# KiCad board AICORS_PCB.kicad_pcb (continued)
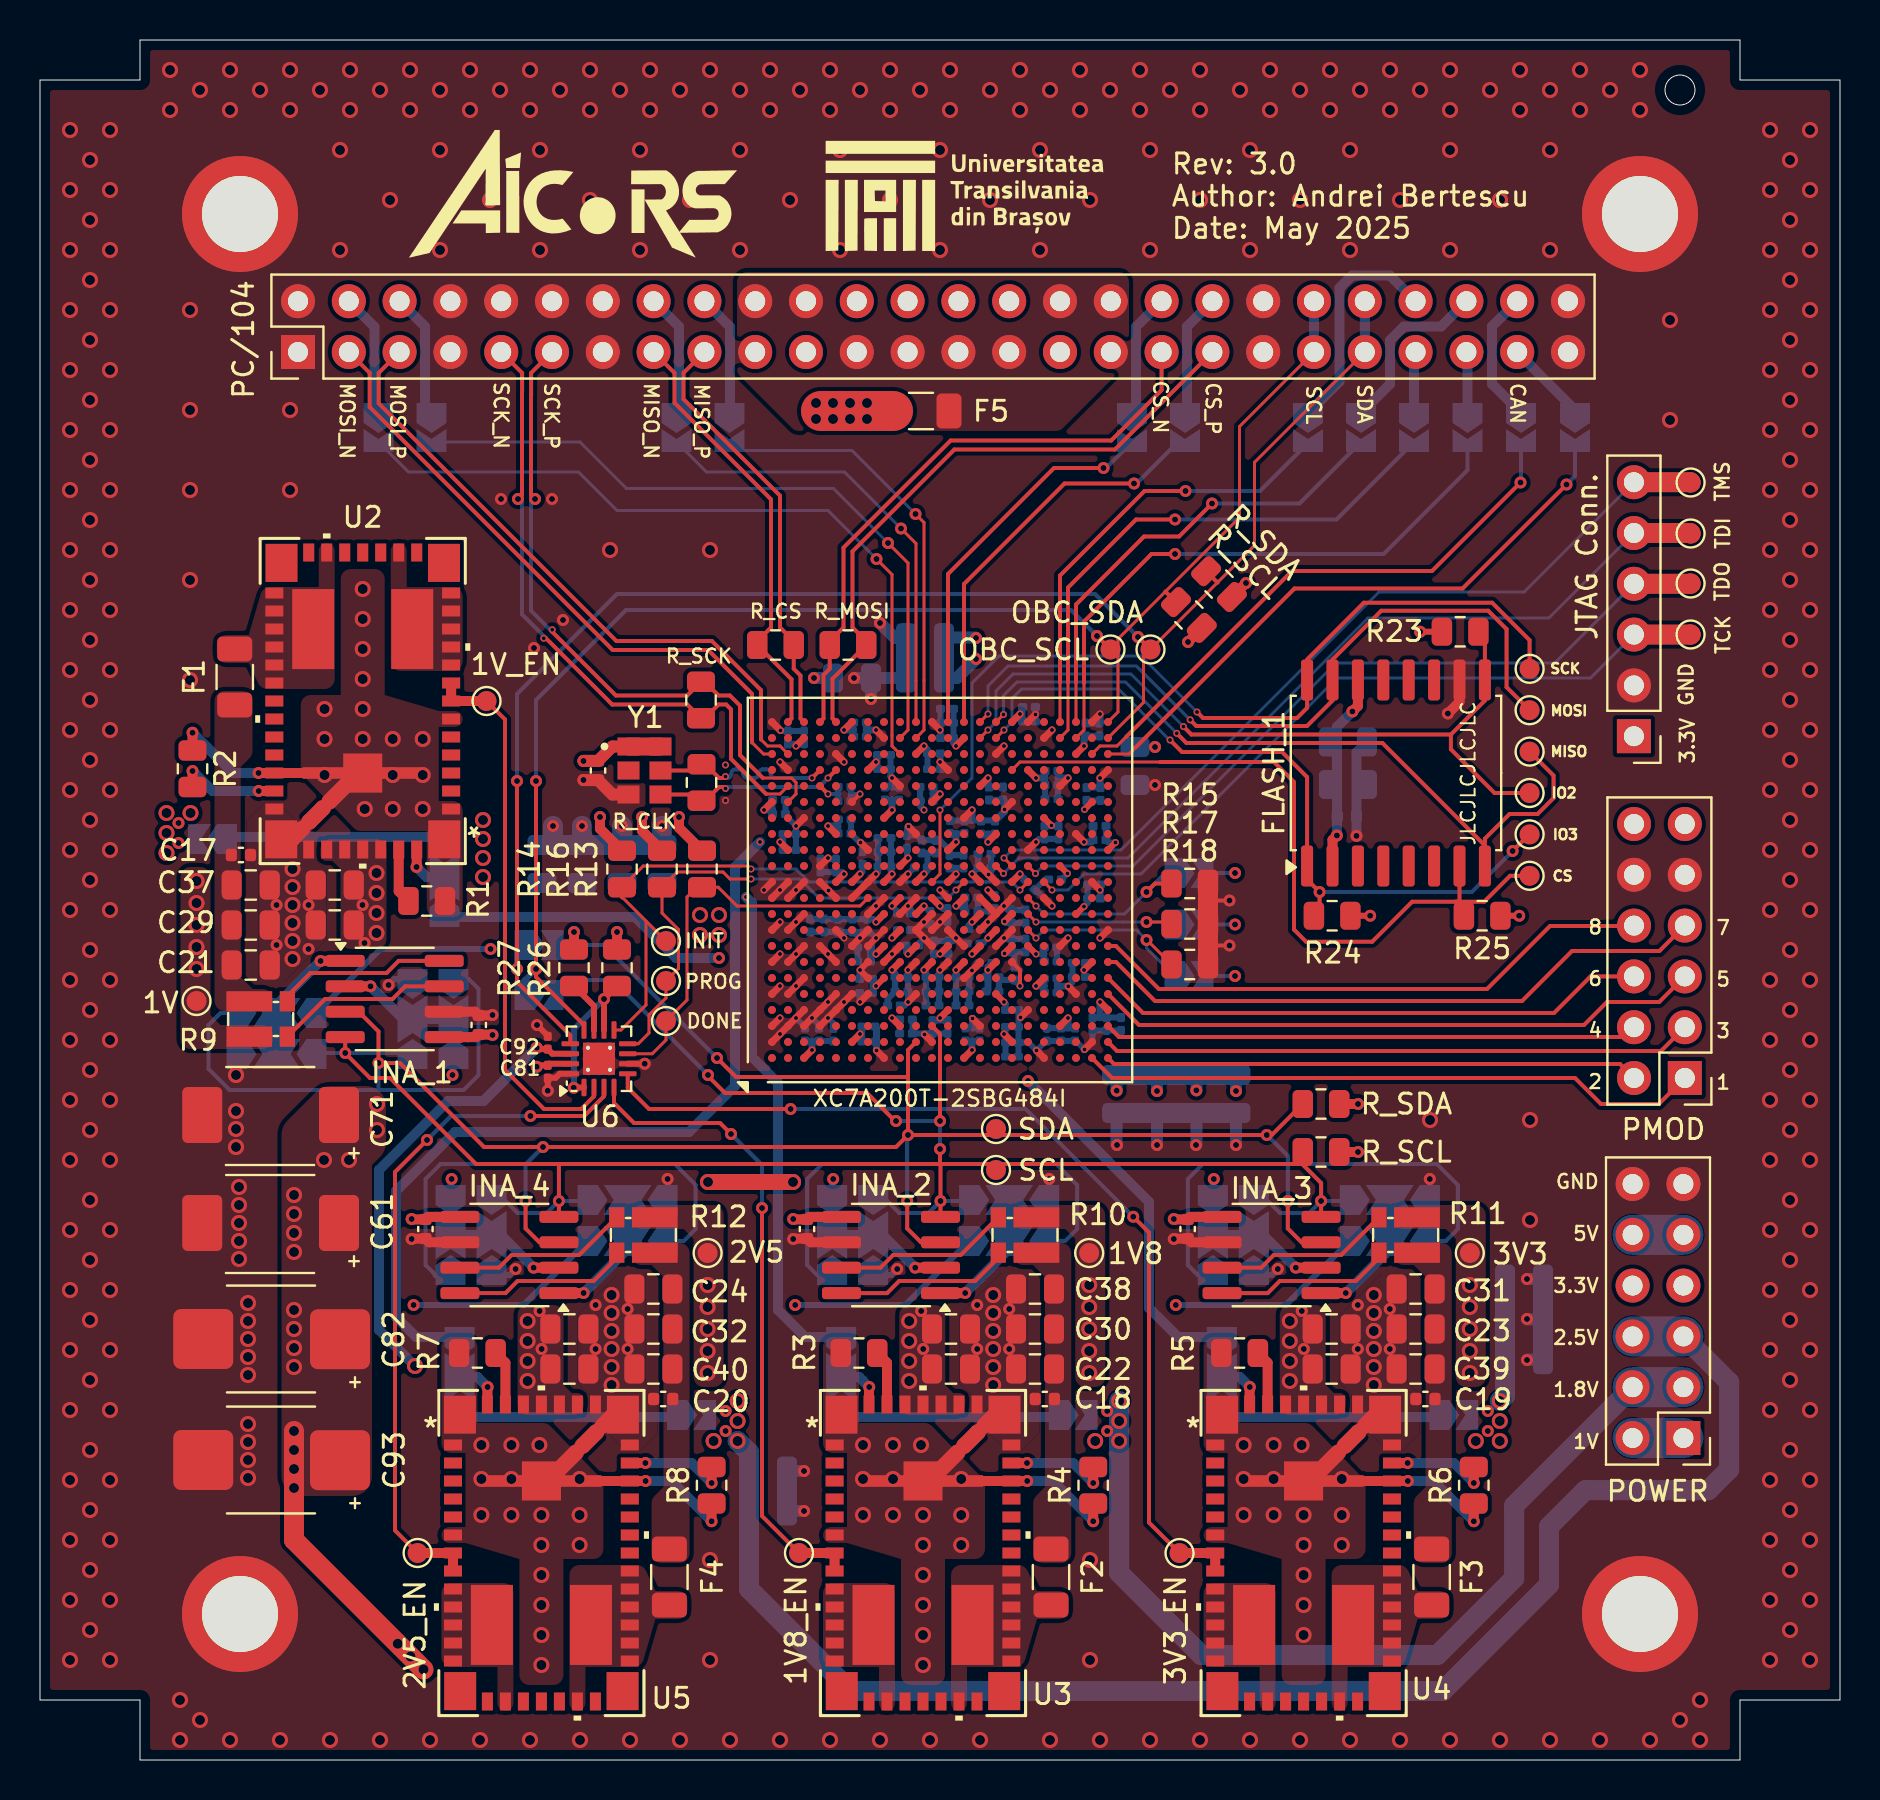
[diagram p0: board, top side]
## Placement (name value [footprint] x y rotation side) (continued)

## Library data of the parts
A0_1-A0_4 A1_1-A1_4 = -: Description: Rotary switch 1x4, SP4T with mount point
C1-C8 C21-C44 = -: Description: GRM21BR61A476ME15L; LCSC Part #: C124129; ki_fp_filters: C_*
C9-C16 = -: Description: GRM21BC81C226ME44L; LCSC Part #: C258782; ki_fp_filters: C_*
C17-C20 C45-C48 = -: Description: GRM033R60J104KE19J; LCSC Part #: C913501; ki_fp_filters: C_*
C49 C53 C62-C67 C72-C77 C163 C173 C183 C193 = -: Description: Unpolarized capacitor; LCSC Part #: C124129; ki_fp_filters: C_*
C50 = -: Description: Unpolarized capacitor; LCSC Part #: C258782; ki_fp_filters: C_*
C51 C52 = -: Description: Unpolarized capacitor; LCSC Part #: C913501; ki_fp_filters: C_*
C54 C55 C70 C80 C91 C102 C110 C112 C120 C122 C130 C132 C141 C142 C145-C152 C155-C162 C165-C172 C175-C182 C185-C192 C195-C202 = -: Description: Unpolarized capacitor; LCSC Part #: C88915; ki_fp_filters: C_*
C56 C58 C60 C68 C69 C78 C79 C81 C83-C90 C92 C94-C101 C103-C109 C111 C113-C119 C121 C123-C129 C131 C133-C140 C143 C144 C153 C154 C164 C174 C184 C194 = -: Description: Unpolarized capacitor; LCSC Part #: C3863497; ki_fp_filters: C_*
C61 C71 = -: Description: Polarized capacitor; LCSC Part #: C147766; ki_fp_filters: CP_*
C82 C93 = -: Description: Polarized capacitor; LCSC Part #: C542607; ki_fp_filters: CP_*
CLK_D_R1 = -: Description: R_CLK; LCSC Part #: C105577; ki_fp_filters: R_*
CS_D_R1 = -: Description: R_CS; LCSC Part #: C105577; ki_fp_filters: R_*
F1-F5 = -: Description: Fuse; LCSC Part #: C187596; ki_fp_filters: *Fuse*
FLASH_1 = -: LCSC Part #: C2948626
H1-H4 = -: Description: Mounting Hole with connection; ki_fp_filters: MountingHole*Pad*
INA_1-INA_4 = -: Datasheet: http://www.ti.com/lit/ds/symlink/ina219.pdf; Description: Zero-Drift, HighAccuracy, Bidirectional Current/Power Monitor (0-26V) With I2C Interface, SOIC-8; LCSC Part #: C2859699; ki_fp_filters: SOIC*3.9x4.9mm*P1.27mm*
J1 = -: Description: PC/104; ki_fp_filters: Connector*:*_2x??_*
J2 = -: Description: JTAG Conn.; LCSC Part #: C3328125; ki_fp_filters: Connector*:*_1x??_*
J3 = -: Description: PMOD; ki_fp_filters: Connector*:*_2x??_*
J4 = -: Description: POWER; ki_fp_filters: Connector*:*_2x??_*
JP1-JP4 = -: Description: Solder Jumper, 3-pole, open; ki_fp_filters: SolderJumper*Open*
JP5-JP25 = -: Description: Solder Jumper, 2-pole, open; ki_fp_filters: SolderJumper*Open*
MOSI_D_R1 = -: Description: R_MOSI; LCSC Part #: C105577; ki_fp_filters: R_*
NT1-NT8 = -: Description: Net tie, 2 pins; ki_fp_filters: Net*Tie*
R1 = -: Description: RC0805FR-075K76L; LCSC Part #: C483177; ki_fp_filters: R_*
R2 = -: Description: AC0805FR-07261KL; ki_fp_filters: R_*
R3 R5 R7 = -: Description: RC0805FR-071K13L; LCSC Part #: C273876; ki_fp_filters: R_*
R4 R6 R8 = -: Description: RT0805BRD07324KL; LCSC Part #: C865403; ki_fp_filters: R_*
R9-R12 = -: Description: WSKW06123L000FEA; LCSC Part #: C1517434; ki_fp_filters: R_*Shunt*
R13 = -: Description: Resistor; LCSC Part #: C114567; ki_fp_filters: R_*
R14 R16 R23-R25 = -: Description: Resistor; LCSC Part #: C60816; ki_fp_filters: R_*
R15 R17 R18 R26 R27 = -: Description: Resistor; LCSC Part #: C95781; ki_fp_filters: R_*
R19 R20 = -: Description: R_SDA; LCSC Part #: C144562; ki_fp_filters: R_*
R21 R22 = -: Description: R_SCL; LCSC Part #: C144562; ki_fp_filters: R_*
SCK_D_R1 = -: Description: R_SCK; LCSC Part #: C105577; ki_fp_filters: R_*
TP1-TP25 = -: Description: test point; ki_fp_filters: Pin* Test*
U1 = -: Description: Artix 7 T 200 XC7A200T-SBG484; LCSC Part #: C1521826
U2-U5 = -: LCSC Part #: C181319; ki_fp_filters: RUQ_47
U6 = -: Datasheet: 8-Bit I2C and SMBus I/O Expander
Y1 = -: PARTREV: 02-08-22; STANDARD: Manufacturer Recommendations; MAXIMUM_PACKAGE_HEIGHT: 1.10mm; MANUFACTURER: Abracon; LCSC Part #: C2002827

## Footprints (pads in the part's own frame, mm; a bottom-side part is the same pattern mirrored in y, then rotated)
4_Way_SolderJumper
  custom 1.5x1.5 smd: 1(-2,1.05) 2(2,1.05) 3(-2,-1) 4(2,-1)
  custom 2.4x1.5 smd: 5(0,-1) 5(0,1.05)
52-PinHeader_SlimDensity
  rect 1.7x1.7 hole 1: 1(0,0)
  oval 1.7x1.7 hole 1: 2(2.54,0) 3(0,-2.54) 4(2.54,-2.54) 5(0,-5.08) 6(2.54,-5.08) 7(0,-7.62) 8(2.54,-7.62) 9(0,-10.16) 10(2.54,-10.16) 11(0,-12.7) 12(2.54,-12.7) 13(0,-15.24) 14(2.54,-15.24) 15(0,-17.78) 16(2.54,-17.78) 17(0,-20.32) 18(2.54,-20.32) 19(0,-22.86) 20(2.54,-22.86) 21(0,-25.4) 22(2.54,-25.4) 23(0,-27.94) 24(2.54,-27.94) 25(0,-30.48) 26(2.54,-30.48) 27(0,-33.02) 28(2.54,-33.02) 29(0,-35.56) 30(2.54,-35.56) 31(0,-38.1) 32(2.54,-38.1) 33(0,-40.64) 34(2.54,-40.64) 35(0,-43.18) 36(2.54,-43.18) 37(0,-45.72) 38(2.54,-45.72) 39(0,-48.26) 40(2.54,-48.26) 41(0,-50.8) 42(2.54,-50.8) 43(0,-53.34) 44(2.54,-53.34) 45(0,-55.88) 46(2.54,-55.88) 47(0,-58.42) 48(2.54,-58.42) 49(0,-60.96) 50(2.54,-60.96) 51(0,-63.5) 52(2.54,-63.5)
C_0201_0603Metric
  rrect 0.318x0.36 smd: (-0.345,0) (0.345,0)
  rrect 0.46x0.4 smd: 1(-0.32,0) 2(0.32,0)
C_0402_1005Metric
  rrect 0.56x0.62 smd: 1(-0.48,0) 2(0.48,0)
C_0805_2012Metric
  rrect 1x1.45 smd: 1(-0.95,0) 2(0.95,0)
Fuse_1206_3216Metric
  rrect 1.25x1.75 smd: 1(-1.4,0) 2(1.4,0)
MountingHole_3.8mm_1mmPad
  round 5.8 hole 3.8: 1(0,0)
Net_tie_1mm
  round 0.8 smd: 1(-0.5,0) 2(0.5,0)
NetTie-2_SMD_Pad0.5mm
  round 0.5 smd: 1(-0.5,0) 2(0.5,0)
Panasonic_D2 Tantalum Capacitor
  rrect 2x2.8 smd: 1(-3.45,-0.05) 2(3.388,-0.05)
Panasonic_D4 Tantalum Capacitor
  rrect 3x3 smd: 1(-3.5,0.01) 2(3.337,0)
PinHeader_1x06_P2.54mm_Vertical
  rect 1.7x1.7 hole 1: 1(0,0)
  oval 1.7x1.7 hole 1: 2(0,-2.54) 3(0,-5.08) 4(0,-7.62) 5(0,-10.16) 6(0,-12.7)
PinHeader_2x06_P2.54mm_Vertical
  rect 1.7x1.7 hole 1: 1(0,0)
  oval 1.7x1.7 hole 1: 2(2.54,0) 3(0,-2.54) 4(2.54,-2.54) 5(0,-5.08) 6(2.54,-5.08) 7(0,-7.62) 8(2.54,-7.62) 9(0,-10.16) 10(2.54,-10.16) 11(0,-12.7) 12(2.54,-12.7)
R_0805_2012Metric
  rrect 1.025x1.4 smd: 1(-0.912,0) 2(0.912,0)
R_Shunt_Vishay_WSKW0612
  rect 2.287x1.01 smd: 1(-0.572,0.885) 4(-0.572,-0.885)
  rect 0.762x1.01 smd: 2(1.334,0.885) 3(1.334,-0.885)
SOIC-8_3.9x4.9mm_P1.27mm
  rrect 1.95x0.6 smd: 1(-2.475,1.905) 2(-2.475,0.635) 3(-2.475,-0.635) 4(-2.475,-1.905) 5(2.475,-1.905) 6(2.475,-0.635) 7(2.475,0.635) 8(2.475,1.905)
SOIC-16W_7.5x10.3mm_P1.27mm
  rrect 2.05x0.6 smd: 1(-4.65,4.445) 2(-4.65,3.175) 3(-4.65,1.905) 4(-4.65,0.635) 5(-4.65,-0.635) 6(-4.65,-1.905) 7(-4.65,-3.175) 8(-4.65,-4.445) 9(4.65,-4.445) 10(4.65,-3.175) 11(4.65,-1.905) 12(4.65,-0.635) 13(4.65,0.635) 14(4.65,1.905) 15(4.65,3.175) 16(4.65,4.445)
SolderJumper-2_P1.3mm_Open_TrianglePad1.0x1.5mm
  custom 1.5x1.5 smd: 1(-0.725,0)
  custom 1.15x1.5 smd: 2(0.725,0)
SolderJumper-3_P2.0mm_Open_TrianglePad1.0x1.5mm_NumberLabels
  custom 1.5x1.5 smd: 1(-2,0) 3(2,0)
  custom 2.4x1.5 smd: 2(0,0)
TestPoint_Pad_D1.0mm
  round 1 smd: 1(0,0)
TPS84320
  rect 1.6x1.9 smd: 1(-4.077,6.92) 15(-4.062,-6.906) 23(4.06,-6.906) 37(4.074,6.92)
  rect 0.9x0.55 smd: 2(-4.42,5.4) 3(-4.42,4.5) 4(-4.42,3.6) 5(-4.42,2.7) 6(-4.42,1.8) 7(-4.42,0.9) 8(-4.42,0) 9(-4.42,-0.9) 10(-4.42,-1.8) 11(-4.42,-2.7) 12(-4.42,-3.6) 13(-4.42,-4.5) 14(-4.42,-5.4) 24(4.42,-5.4) 25(4.42,-4.5) 26(4.42,-3.6) 27(4.42,-2.7) 28(4.42,-1.8) 29(4.42,-0.9) 30(4.42,0) 31(4.42,0.9) 32(4.42,1.8) 33(4.42,2.7) 34(4.42,3.6) 35(4.42,4.5) 36(4.42,5.4)
  rect 0.55x0.9 smd: 16(-2.7,-7.425) 17(-1.8,-7.425) 18(-0.9,-7.425) 19(0,-7.425) 20(0.9,-7.425) 21(1.8,-7.425) 22(2.7,-7.425) 38(2.7,7.425) 39(1.8,7.425) 40(0.9,7.425) 41(0,7.425) 42(-0.9,7.425) 43(-1.8,7.425) 44(-2.7,7.425)
  rect 1.954x1.96 smd: 45(0,3.602)
  rect 6x0.583 smd: 45(0,3.6)
  rect 2.1x4 smd: 46(-2.475,-3.595) 47(2.475,-3.593)
VQFN-16-1EP_3x3mm_P0.5mm_EP1.6x1.6mm_ThermalVias
  rrect 0.69x0.69 smd: (-0.4,0.4) (-0.4,-0.4) (0.4,0.4) (0.4,-0.4)
  rrect 0.875x0.25 smd: 1(-1.438,0.75) 2(-1.438,0.25) 3(-1.438,-0.25) 4(-1.438,-0.75) 9(1.438,-0.75) 10(1.438,-0.25) 11(1.438,0.25) 12(1.438,0.75)
  rrect 0.25x0.875 smd: 5(-0.75,-1.438) 6(-0.25,-1.438) 7(0.25,-1.438) 8(0.75,-1.438) 13(0.75,1.438) 14(0.25,1.438) 15(-0.25,1.438) 16(-0.75,1.438)
  round 0.5 hole 0.2: 17(-0.55,0.55) 17(-0.55,-0.55) 17(0.55,0.55) 17(0.55,-0.55)
  rect 1.6x1.6 smd: 17(0,0)
  rect 1.6x1.6 smd far side: 17(0,0)
Xilinx_SBG484
  round 0.4 smd: A1(-8.4,8.4) A2(-7.6,8.4) A3(-6.8,8.4) A4(-6,8.4) A5(-5.2,8.4) A6(-4.4,8.4) A7(-3.6,8.4) A8(-2.8,8.4) A9(-2,8.4) A10(-1.2,8.4) A11(-0.4,8.4) A12(0.4,8.4) A13(1.2,8.4) A14(2,8.4) A15(2.8,8.4) A16(3.6,8.4) A17(4.4,8.4) A18(5.2,8.4) A19(6,8.4) A20(6.8,8.4) A21(7.6,8.4) A22(8.4,8.4) AA1(-8.4,-7.6) AA2(-7.6,-7.6) AA3(-6.8,-7.6) AA4(-6,-7.6) AA5(-5.2,-7.6) AA6(-4.4,-7.6) AA7(-3.6,-7.6) AA8(-2.8,-7.6) AA9(-2,-7.6) AA10(-1.2,-7.6) AA11(-0.4,-7.6) AA12(0.4,-7.6) AA13(1.2,-7.6) AA14(2,-7.6) AA15(2.8,-7.6) AA16(3.6,-7.6) AA17(4.4,-7.6) AA18(5.2,-7.6) AA19(6,-7.6) AA20(6.8,-7.6) AA21(7.6,-7.6) AA22(8.4,-7.6) AB1(-8.4,-8.4) AB2(-7.6,-8.4) AB3(-6.8,-8.4) AB4(-6,-8.4) AB5(-5.2,-8.4) AB6(-4.4,-8.4) AB7(-3.6,-8.4) AB8(-2.8,-8.4) AB9(-2,-8.4) AB10(-1.2,-8.4) AB11(-0.4,-8.4) AB12(0.4,-8.4) AB13(1.2,-8.4) AB14(2,-8.4) AB15(2.8,-8.4) AB16(3.6,-8.4) AB17(4.4,-8.4) AB18(5.2,-8.4) AB19(6,-8.4) AB20(6.8,-8.4) AB21(7.6,-8.4) AB22(8.4,-8.4) B1(-8.4,7.6) B2(-7.6,7.6) B3(-6.8,7.6) B4(-6,7.6) B5(-5.2,7.6) B6(-4.4,7.6) B7(-3.6,7.6) B8(-2.8,7.6) B9(-2,7.6) B10(-1.2,7.6) B11(-0.4,7.6) B12(0.4,7.6) B13(1.2,7.6) B14(2,7.6) B15(2.8,7.6) B16(3.6,7.6) B17(4.4,7.6) B18(5.2,7.6) B19(6,7.6) B20(6.8,7.6) B21(7.6,7.6) B22(8.4,7.6) C1(-8.4,6.8) C2(-7.6,6.8) C3(-6.8,6.8) C4(-6,6.8) C5(-5.2,6.8) C6(-4.4,6.8) C7(-3.6,6.8) C8(-2.8,6.8) C9(-2,6.8) C10(-1.2,6.8) C11(-0.4,6.8) C12(0.4,6.8) C13(1.2,6.8) C14(2,6.8) C15(2.8,6.8) C16(3.6,6.8) C17(4.4,6.8) C18(5.2,6.8) C19(6,6.8) C20(6.8,6.8) C21(7.6,6.8) C22(8.4,6.8) D1(-8.4,6) D2(-7.6,6) D3(-6.8,6) D4(-6,6) D5(-5.2,6) D6(-4.4,6) D7(-3.6,6) D8(-2.8,6) D9(-2,6) D10(-1.2,6) D11(-0.4,6) D12(0.4,6) D13(1.2,6) D14(2,6) D15(2.8,6) D16(3.6,6) D17(4.4,6) D18(5.2,6) D19(6,6) D20(6.8,6) D21(7.6,6) D22(8.4,6) E1(-8.4,5.2) E2(-7.6,5.2) E3(-6.8,5.2) E4(-6,5.2) E5(-5.2,5.2) E6(-4.4,5.2) E7(-3.6,5.2) E8(-2.8,5.2) E9(-2,5.2) E10(-1.2,5.2) E11(-0.4,5.2) E12(0.4,5.2) E13(1.2,5.2) E14(2,5.2) E15(2.8,5.2) E16(3.6,5.2) E17(4.4,5.2) E18(5.2,5.2) E19(6,5.2) E20(6.8,5.2) E21(7.6,5.2) E22(8.4,5.2) F1(-8.4,4.4) F2(-7.6,4.4) F3(-6.8,4.4) F4(-6,4.4) F5(-5.2,4.4) F6(-4.4,4.4) F7(-3.6,4.4) F8(-2.8,4.4) F9(-2,4.4) F10(-1.2,4.4) F11(-0.4,4.4) F12(0.4,4.4) F13(1.2,4.4) F14(2,4.4) F15(2.8,4.4) F16(3.6,4.4) F17(4.4,4.4) F18(5.2,4.4) F19(6,4.4) F20(6.8,4.4) F21(7.6,4.4) F22(8.4,4.4) G1(-8.4,3.6) G2(-7.6,3.6) G3(-6.8,3.6) G4(-6,3.6) G5(-5.2,3.6) G6(-4.4,3.6) G7(-3.6,3.6) G8(-2.8,3.6) G9(-2,3.6) G10(-1.2,3.6) G11(-0.4,3.6) G12(0.4,3.6) G13(1.2,3.6) G14(2,3.6) G15(2.8,3.6) G16(3.6,3.6) G17(4.4,3.6) G18(5.2,3.6) G19(6,3.6) G20(6.8,3.6) G21(7.6,3.6) G22(8.4,3.6) H1(-8.4,2.8) H2(-7.6,2.8) H3(-6.8,2.8) H4(-6,2.8) H5(-5.2,2.8) H6(-4.4,2.8) H7(-3.6,2.8) H8(-2.8,2.8) H9(-2,2.8) H10(-1.2,2.8) H11(-0.4,2.8) H12(0.4,2.8) H13(1.2,2.8) H14(2,2.8) H15(2.8,2.8) H16(3.6,2.8) H17(4.4,2.8) H18(5.2,2.8) H19(6,2.8) H20(6.8,2.8) H21(7.6,2.8) H22(8.4,2.8) J1(-8.4,2) J2(-7.6,2) J3(-6.8,2) J4(-6,2) J5(-5.2,2) J6(-4.4,2) J7(-3.6,2) J8(-2.8,2) J9(-2,2) J10(-1.2,2) J11(-0.4,2) J12(0.4,2) J13(1.2,2) J14(2,2) J15(2.8,2) J16(3.6,2) J17(4.4,2) J18(5.2,2) J19(6,2) J20(6.8,2) J21(7.6,2) J22(8.4,2) K1(-8.4,1.2) K2(-7.6,1.2) K3(-6.8,1.2) K4(-6,1.2) K5(-5.2,1.2) K6(-4.4,1.2) K7(-3.6,1.2) K8(-2.8,1.2) K9(-2,1.2) K10(-1.2,1.2) K11(-0.4,1.2) K12(0.4,1.2) K13(1.2,1.2) K14(2,1.2) K15(2.8,1.2) K16(3.6,1.2) K17(4.4,1.2) K18(5.2,1.2) K19(6,1.2) K20(6.8,1.2) K21(7.6,1.2) K22(8.4,1.2) L1(-8.4,0.4) L2(-7.6,0.4) L3(-6.8,0.4) L4(-6,0.4) L5(-5.2,0.4) L6(-4.4,0.4) L7(-3.6,0.4) L8(-2.8,0.4) L9(-2,0.4) L10(-1.2,0.4) L11(-0.4,0.4) L12(0.4,0.4) L13(1.2,0.4) L14(2,0.4) L15(2.8,0.4) L16(3.6,0.4) L17(4.4,0.4) L18(5.2,0.4) L19(6,0.4) L20(6.8,0.4) L21(7.6,0.4) L22(8.4,0.4) M1(-8.4,-0.4) M2(-7.6,-0.4) M3(-6.8,-0.4) M4(-6,-0.4) M5(-5.2,-0.4) M6(-4.4,-0.4) M7(-3.6,-0.4) M8(-2.8,-0.4) M9(-2,-0.4) M10(-1.2,-0.4) M11(-0.4,-0.4) M12(0.4,-0.4) M13(1.2,-0.4) M14(2,-0.4) M15(2.8,-0.4) M16(3.6,-0.4) M17(4.4,-0.4) M18(5.2,-0.4) M19(6,-0.4) M20(6.8,-0.4) M21(7.6,-0.4) M22(8.4,-0.4) N1(-8.4,-1.2) N2(-7.6,-1.2) N3(-6.8,-1.2) N4(-6,-1.2) N5(-5.2,-1.2) N6(-4.4,-1.2) N7(-3.6,-1.2) N8(-2.8,-1.2) N9(-2,-1.2) N10(-1.2,-1.2) N11(-0.4,-1.2) N12(0.4,-1.2) N13(1.2,-1.2) N14(2,-1.2) N15(2.8,-1.2) N16(3.6,-1.2) N17(4.4,-1.2) N18(5.2,-1.2) N19(6,-1.2) N20(6.8,-1.2) N21(7.6,-1.2) N22(8.4,-1.2) P1(-8.4,-2) P2(-7.6,-2) P3(-6.8,-2) P4(-6,-2) P5(-5.2,-2) P6(-4.4,-2) P7(-3.6,-2) P8(-2.8,-2) P9(-2,-2) P10(-1.2,-2) P11(-0.4,-2) P12(0.4,-2) P13(1.2,-2) P14(2,-2) P15(2.8,-2) P16(3.6,-2) P17(4.4,-2) P18(5.2,-2) P19(6,-2) P20(6.8,-2) P21(7.6,-2) P22(8.4,-2) R1(-8.4,-2.8) R2(-7.6,-2.8) R3(-6.8,-2.8) R4(-6,-2.8) R5(-5.2,-2.8) R6(-4.4,-2.8) R7(-3.6,-2.8) R8(-2.8,-2.8) R9(-2,-2.8) R10(-1.2,-2.8) R11(-0.4,-2.8) R12(0.4,-2.8) R13(1.2,-2.8) R14(2,-2.8) R15(2.8,-2.8) R16(3.6,-2.8) R17(4.4,-2.8) R18(5.2,-2.8) R19(6,-2.8) R20(6.8,-2.8) R21(7.6,-2.8) R22(8.4,-2.8) T1(-8.4,-3.6) T2(-7.6,-3.6) T3(-6.8,-3.6) T4(-6,-3.6) T5(-5.2,-3.6) T6(-4.4,-3.6) T7(-3.6,-3.6) T8(-2.8,-3.6) T9(-2,-3.6) T10(-1.2,-3.6) T11(-0.4,-3.6) T12(0.4,-3.6) T13(1.2,-3.6) T14(2,-3.6) T15(2.8,-3.6) T16(3.6,-3.6) T17(4.4,-3.6) T18(5.2,-3.6) T19(6,-3.6) T20(6.8,-3.6) T21(7.6,-3.6) T22(8.4,-3.6) U1(-8.4,-4.4) U2(-7.6,-4.4) U3(-6.8,-4.4) U4(-6,-4.4) U5(-5.2,-4.4) U6(-4.4,-4.4) U7(-3.6,-4.4) U8(-2.8,-4.4) U9(-2,-4.4) U10(-1.2,-4.4) U11(-0.4,-4.4) U12(0.4,-4.4) U13(1.2,-4.4) U14(2,-4.4) U15(2.8,-4.4) U16(3.6,-4.4) U17(4.4,-4.4) U18(5.2,-4.4) U19(6,-4.4) U20(6.8,-4.4) U21(7.6,-4.4) U22(8.4,-4.4) V1(-8.4,-5.2) V2(-7.6,-5.2) V3(-6.8,-5.2) V4(-6,-5.2) V5(-5.2,-5.2) V6(-4.4,-5.2) V7(-3.6,-5.2) V8(-2.8,-5.2) V9(-2,-5.2) V10(-1.2,-5.2) V11(-0.4,-5.2) V12(0.4,-5.2) V13(1.2,-5.2) V14(2,-5.2) V15(2.8,-5.2) V16(3.6,-5.2) V17(4.4,-5.2) V18(5.2,-5.2) V19(6,-5.2) V20(6.8,-5.2) V21(7.6,-5.2) V22(8.4,-5.2) W1(-8.4,-6) W2(-7.6,-6) W3(-6.8,-6) W4(-6,-6) W5(-5.2,-6) W6(-4.4,-6) W7(-3.6,-6) W8(-2.8,-6) W9(-2,-6) W10(-1.2,-6) W11(-0.4,-6) W12(0.4,-6) W13(1.2,-6) W14(2,-6) W15(2.8,-6) W16(3.6,-6) W17(4.4,-6) W18(5.2,-6) W19(6,-6) W20(6.8,-6) W21(7.6,-6) W22(8.4,-6) Y1(-8.4,-6.8) Y2(-7.6,-6.8) Y3(-6.8,-6.8) Y4(-6,-6.8) Y5(-5.2,-6.8) Y6(-4.4,-6.8) Y7(-3.6,-6.8) Y8(-2.8,-6.8) Y9(-2,-6.8) Y10(-1.2,-6.8) Y11(-0.4,-6.8) Y12(0.4,-6.8) Y13(1.2,-6.8) Y14(2,-6.8) Y15(2.8,-6.8) Y16(3.6,-6.8) Y17(4.4,-6.8) Y18(5.2,-6.8) Y19(6,-6.8) Y20(6.8,-6.8) Y21(7.6,-6.8) Y22(8.4,-6.8)
XTAL_AX3DAF1-100.0000T
  rect 1.1x0.9 smd: 1(-0.8,1.2) 2(-0.8,0) 3(-0.8,-1.2) 4(0.8,-1.2) 5(0.8,0) 6(0.8,1.2)

## Nets
1V8_VOLTAGE_EN: TP21.1 U3.8 U3.9 U6.4
1V_VOLTAGE_EN: TP20.1 U2.8 U2.9 U6.2
2V5_VOLTAGE_EN: TP23.1 U5.8 U5.9 U6.3
3V3_VOLTAGE_EN: TP22.1 U4.8 U4.9 U6.5
+1.8V: C68.1 C78.1 C83.1 C94.1 C103.1 C113.1 C123.1 C142.1 C146.1 C156.1 C166.1 C176.1 C186.1 C196.1 J4.3 J4.4 JP6.2 NT2.2 U1.E12 U1.H12 U1.K10 U1.K12 U1.M12 U1.P12 U1.R11
+2.5V: C64.1 C74.1 C86.1 C97.1 C106.1 C116.1 C126.1 C135.1 C149.1 C159.1 C169.1 C179.1 C189.1 C199.1 J4.5 J4.6 JP8.2 NT4.2 U1.A17 U1.B14 U1.C21 U1.D18 U1.E15 U1.F22
+3.3V: A0_1.1 A0_2.1 A0_3.1 A0_4.1 A1_1.1 A1_2.1 A1_3.1 A1_4.1 C45.1 C46.1 C47.1 C48.1 C49.1 C50.1 C51.1 C52.1 C53.1 C54.1 C55.1 C56.1 C58.1 C60.1 C62.1 C63.1 C65.1 C66.1 C67.1 C72.1 C73.1 C75.1 C76.1 C77.1 C81.1 C84.1 C85.1 C87.1 C88.1 C89.1 C95.1 C96.1 C98.1 C99.1 C100.1 C104.1 C105.1 C107.1 C108.1 C109.1 C114.1 C115.1 C117.1 C118.1 C119.1 C124.1 C125.1 C127.1 C128.1 C129.1 C133.1 C134.1 C136.1 C137.1 C138.1 C147.1 C148.1 C150.1 C151.1 C152.1 C157.1 C158.1 C160.1 C161.1 C162.1 C167.1 C168.1 C170.1 C171.1 C172.1 C177.1 C178.1 C180.1 C181.1 C182.1 C187.1 C188.1 C190.1 C191.1 C192.1 C197.1 C198.1 C200.1 C201.1 C202.1 FLASH_1.2 FLASH_1.14 INA_1.5 INA_2.5 INA_3.5 INA_4.5 J2.1 J3.11 J3.12 J4.7 J4.8 JP7.2 JP9.2 JP10.2 JP11.2 NT3.2 R13.1 R14.1 R16.1 R19.2 R20.2 R21.2 R22.2 R23.1 R24.1 R25.1 R26.2 R27.2 U1.AA7 U1.AA17 U1.AB4 U1.AB14 U1.C1 U1.F2 U1.F12 U1.G19 U1.H6 U1.H16 U1.J3 U1.J13 U1.K20 U1.L17 U1.M4 U1.M14 U1.N1 U1.N21 U1.P18 U1.R5 U1.R15 U1.T2 U1.T12 U1.T22 U1.U8 U1.U19 U1.V6 U1.V16 U1.W3 U1.W13 U1.Y10 U1.Y20 U6.15 Y1.1 Y1.6
+5V: C1.1 C2.1 C3.1 C4.1 C5.1 C6.1 C7.1 C8.1 C9.1 C10.1 C11.1 C12.1 C13.1 C14.1 C15.1 C16.1 C92.1 F5.1 J4.9 J4.10 U2.39 U2.40 U2.41 U2.42 U3.39 U3.40 U3.41 U3.42 U4.39 U4.40 U4.41 U4.42 U5.39 U5.40 U5.41 U5.42 U6.14
+5V_Unfused: F5.2 J1.20 J1.22 J1.23 J1.25 J1.27 J1.29 J1.32 J1.34
/1V8_SENSE: C26.1 C34.1 C42.1 JP2.1 JP6.1 R10.4 TP2.1
/1V_SENSE: C25.1 C33.1 C41.1 JP1.1 JP5.1 R9.4 TP1.1
/2V5_SENSE: C28.1 C36.1 C44.1 JP4.1 JP8.1 R12.4 TP25.1
/3V3_SENSE: C27.1 C35.1 C43.1 JP3.1 JP7.1 R11.4 TP24.1
AGND_1V: NT5.2 R1.1 R2.1 U2.1 U2.2 U2.7 U2.34 U2.45
AGND_1V8: NT6.2 R3.1 R4.1 U3.1 U3.2 U3.7 U3.34 U3.45
AGND_2V5: NT8.2 R7.1 R8.1 U5.1 U5.2 U5.7 U5.34 U5.45
AGND_3V3: NT7.2 R5.1 R6.1 U4.1 U4.2 U4.7 U4.34 U4.45
GND: A0_1.4 A0_2.4 A0_3.4 A0_4.4 A1_1.4 A1_2.4 A1_3.4 A1_4.4 C1.2 C2.2 C3.2 C4.2 C5.2 C6.2 C7.2 C8.2 C9.2 C10.2 C11.2 C12.2 C13.2 C14.2 C15.2 C16.2 C17.2 C18.2 C19.2 C20.2 C21.2 C22.2 C23.2 C24.2 C25.2 C26.2 C27.2 C28.2 C29.2 C30.2 C31.2 C32.2 C33.2 C34.2 C35.2 C36.2 C37.2 C38.2 C39.2 C40.2 C41.2 C42.2 C43.2 C44.2 C45.2 C46.2 C47.2 C48.2 C49.2 C50.2 C51.2 C52.2 C53.2 C54.2 C55.2 C56.2 C58.2 C60.2 C61.2 C62.2 C63.2 C64.2 C65.2 C66.2 C67.2 C68.2 C69.2 C70.2 C71.2 C72.2 C73.2 C74.2 C75.2 C76.2 C77.2 C78.2 C79.2 C80.2 C81.2 C82.2 C83.2 C84.2 C85.2 C86.2 C87.2 C88.2 C89.2 C90.2 C91.2 C92.2 C93.2 C94.2 C95.2 C96.2 C97.2 C98.2 C99.2 C100.2 C101.2 C102.2 C103.2 C104.2 C105.2 C106.2 C107.2 C108.2 C109.2 C110.2 C111.2 C112.2 C113.2 C114.2 C115.2 C116.2 C117.2 C118.2 C119.2 C120.2 C121.2 C122.2 C123.2 C124.2 C125.2 C126.2 C127.2 C128.2 C129.2 C130.2 C131.2 C132.2 C133.2 C134.2 C135.2 C136.2 C137.2 C138.2 C139.2 C140.2 C141.2 C142.2 C143.2 C144.2 C145.2 C146.2 C147.2 C148.2 C149.2 C150.2 C151.2 C152.2 C153.2 C154.2 C155.2 C156.2 C157.2 C158.2 C159.2 C160.2 C161.2 C162.2 C163.2 C164.2 C165.2 C166.2 C167.2 C168.2 C169.2 C170.2 C171.2 C172.2 C173.2 C174.2 C175.2 C176.2 C177.2 C178.2 C179.2 C180.2 C181.2 C182.2 C183.2 C184.2 C185.2 C186.2 C187.2 C188.2 C189.2 C190.2 C191.2 C192.2 C193.2 C194.2 C195.2 C196.2 C197.2 C198.2 C199.2 C200.2 C201.2 C202.2 FLASH_1.10 H1.1 H2.1 H3.1 H4.1 INA_1.6 INA_2.6 INA_3.6 INA_4.6 J1.1 J1.2 J1.7 J1.8 J1.10 J1.12 J1.13 J1.14 J1.19 J1.21 J1.24 J1.26 J1.28 J1.30 J1.31 J1.33 J1.39 J1.40 J1.51 J1.52 J2.2 J3.9 J3.10 J4.11 J4.12 NT5.1 NT6.1 NT7.1 NT8.1 R15.1 R17.1 R18.1 U1.A2 U1.A3 U1.A5 U1.A7 U1.A9 U1.A11 U1.A12 U1.A22 U1.AA2 U1.AA12 U1.AA22 U1.AB9 U1.AB19 U1.B3 U1.B5 U1.B7 U1.B9 U1.B11 U1.B12 U1.B19 U1.C3 U1.C4 U1.C6 U1.C8 U1.C10 U1.C12 U1.C16 U1.D3 U1.D4 U1.D8 U1.D12 U1.D13 U1.E4 U1.E5 U1.E7 U1.E9 U1.E11 U1.E20 U1.F5 U1.F8 U1.F11 U1.F17 U1.G5 U1.G6 U1.G7 U1.G8 U1.G9 U1.G10 U1.G12 U1.G14 U1.H1 U1.H7 U1.H9 U1.H11 U1.H21 U1.J8 U1.J10 U1.J12 U1.J18 U1.K5 U1.K7 U1.K9 U1.K11 U1.K15 U1.L2 U1.L8 U1.L9 U1.L10 U1.L22 U1.M7 U1.M9 U1.M10 U1.M11 U1.M19 U1.N6 U1.N8 U1.N16 U1.P3 U1.P7 U1.P9 U1.P11 U1.P13 U1.R8 U1.R10 U1.R12 U1.R20 U1.T7 U1.T9 U1.T11 U1.T17 U1.U4 U1.U14 U1.U22 U1.V1 U1.V11 U1.V21 U1.W8 U1.W18 U1.Y5 U1.Y15 U2.36 U2.37 U2.38 U3.36 U3.37 U3.38 U4.36 U4.37 U4.38 U5.36 U5.37 U5.38 U6.6 U6.16 U6.17 Y1.3
VCCINT: C61.1 C69.1 C70.1 C71.1 C79.1 C80.1 C82.1 C90.1 C91.1 C93.1 C101.1 C102.1 C110.1 C111.1 C112.1 C120.1 C121.1 C122.1 C130.1 C131.1 C132.1 C139.1 C140.1 C141.1 C143.1 C144.1 C145.1 C153.1 C154.1 C155.1 C163.1 C164.1 C165.1 C173.1 C174.1 C175.1 C183.1 C184.1 C185.1 C193.1 C194.1 C195.1 J4.1 J4.2 JP5.2 NT1.2 U1.H8 U1.H10 U1.J7 U1.J9 U1.J11 U1.K8 U1.L7 U1.L11 U1.M8 U1.N7 U1.N11 U1.P8 U1.P10 U1.R7 U1.R9 U1.T8 U1.T10
CAN_H: JP24.2 U1.AA20
CAN_L: JP25.2 U1.AB20
CONN_1: JP21.2 U1.W21
CONN_2: JP23.2 U1.Y21
CONN_3: JP22.2 U1.Y22
CONN_4: JP20.2 U1.W22
CONN_5: JP19.2 U1.N22
CONN_6: JP18.2 U1.M22
CONN_7: JP17.2 U1.K21
CONN_8: JP16.2 U1.K22
CONN_9: JP15.2 U1.J21
CONN_10: JP14.2 U1.J20
FPAG_DONE: R13.2 TP5.1 U1.G11 U6.7
FPAG_M0: JP9.1 R15.2 U1.U11
FPGA_INIT: R14.2 TP7.1 U1.U12 U6.9
FPGA_M1: JP10.1 R17.2 U1.U10
FPGA_M2: JP11.1 R18.2 U1.U9
FPGA_PROGB: R16.2 TP8.1 U1.N12 U6.8
GPIO_1: J3.1 U1.AA1
GPIO_2: J3.2 U1.AB1
GPIO_3: J3.3 U1.AB2
GPIO_4: J3.4 U1.AB3
GPIO_5: J3.5 U1.AB5
GPIO_6: J3.6 U1.AB6
GPIO_7: J3.7 U1.AB7
GPIO_8: J3.8 U1.AB8
I2C_RESET: R26.1 U6.1 U6.10
IIC_SCL: A0_1.3 A0_2.3 A0_3.3 A0_4.3 A1_1.3 A1_2.3 A1_3.3 A1_4.3 INA_1.4 INA_2.4 INA_3.4 INA_4.4 JP13.2 R22.1 TP11.1 U1.L3
IIC_SCL_OBC: J1.41 J1.42 JP13.1 R21.1 TP19.1 U1.AB22 U6.12
IIC_SDA: A0_1.2 A0_2.2 A0_3.2 A0_4.2 A1_1.2 A1_2.2 A1_3.2 A1_4.2 INA_1.3 INA_2.3 INA_3.3 INA_4.3 JP12.2 R20.1 TP10.1 U1.K2
IIC_SDA_OBC: J1.43 J1.44 JP12.1 R19.1 TP18.1 U1.AB21 U6.13
JTAG_TCK: J2.3 TP9.1 U1.V12
JTAG_TDI: J2.5 TP4.1 U1.R13
JTAG_TDO: J2.4 TP6.1 U1.U13
JTAG_TMS: J2.6 TP3.1 U1.T13
SPI_1_CS_FLASH: FLASH_1.7 R25.2 TP17.1 U1.T19
SPI_1_IO2: FLASH_1.9 R23.2 TP15.1 U1.P21
SPI_1_IO3: FLASH_1.1 R24.2 TP16.1 U1.R21
SPI_1_MISO_IO1: FLASH_1.8 TP14.1 U1.R22
SPI_1_MOSI_IO0: FLASH_1.15 TP13.1 U1.P22
SPI_1_SCK: FLASH_1.16 TP12.1 U1.L12
SPI_CS_N: J1.35 MOSI_D_R1.1 U1.D22
SPI_CS_P: J1.37 MOSI_D_R1.2 U1.E22
SPI_MISO_IO1_N: CS_D_R1.1 J1.15 U1.B22
SPI_MISO_IO1_P: CS_D_R1.2 J1.17 U1.C22
SPI_MOSI_IO0_N: J1.3 U1.A20
SPI_MOSI_IO0_P: J1.5 U1.B20
SPI_SCK_N: J1.9 SCK_D_R1.1 U1.B18
SPI_SCK_P: J1.11 SCK_D_R1.2 U1.B17
SYS_CLK_N: CLK_D_R1.1 U1.D19 Y1.5
SYS_CLK_P: CLK_D_R1.2 U1.E19 Y1.4
Net-(C17-Pad1): C17.1 C21.1 C29.1 C37.1 F1.2 R9.1
Net-(C18-Pad1): C18.1 C22.1 C30.1 C38.1 F2.2 R10.1
Net-(C19-Pad1): C19.1 C23.1 C31.1 C39.1 F3.2 R11.1
Net-(C20-Pad1): C20.1 C24.1 C32.1 C40.1 F4.2 R12.1
Net-(F1-Pad1): F1.1 U2.21 U2.24 U2.25 U2.26 U2.27 U2.28 U2.29 U2.47
Net-(F2-Pad1): F2.1 U3.21 U3.24 U3.25 U3.26 U3.27 U3.28 U3.29 U3.47
Net-(F3-Pad1): F3.1 U4.21 U4.24 U4.25 U4.26 U4.27 U4.28 U4.29 U4.47
Net-(F4-Pad1): F4.1 U5.21 U5.24 U5.25 U5.26 U5.27 U5.28 U5.29 U5.47
Net-(INA_1-A0): A0_1.5 INA_1.2
Net-(INA_1-A1): A1_1.5 INA_1.1
Net-(INA_1-IN+): INA_1.8 R9.2
Net-(INA_1-IN-): INA_1.7 R9.3
Net-(INA_2-A0): A0_2.5 INA_2.2
Net-(INA_2-A1): A1_2.5 INA_2.1
Net-(INA_2-IN+): INA_2.8 R10.2
Net-(INA_2-IN-): INA_2.7 R10.3
Net-(INA_3-A0): A0_3.5 INA_3.2
Net-(INA_3-A1): A1_3.5 INA_3.1
Net-(INA_3-IN+): INA_3.8 R11.2
Net-(INA_3-IN-): INA_3.7 R11.3
Net-(INA_4-A0): A0_4.5 INA_4.2
Net-(INA_4-A1): A1_4.5 INA_4.1
Net-(INA_4-IN+): INA_4.8 R12.2
Net-(INA_4-IN-): INA_4.7 R12.3
Net-(J1-Pin_4): J1.4 JP14.1
Net-(J1-Pin_6): J1.6 JP15.1
Net-(J1-Pin_16): J1.16 JP16.1
Net-(J1-Pin_18): J1.18 JP17.1
Net-(J1-Pin_36): J1.36 JP18.1
Net-(J1-Pin_38): J1.38 JP19.1
Net-(J1-Pin_45): J1.45 JP21.1
Net-(J1-Pin_46): J1.46 JP20.1
Net-(J1-Pin_47): J1.47 JP23.1
Net-(J1-Pin_48): J1.48 JP22.1
Net-(J1-Pin_49): J1.49 JP25.1
Net-(J1-Pin_50): J1.50 JP24.1
Net-(JP1-B): JP1.3 NT1.1
Net-(JP1-C): JP1.2 U2.44
Net-(JP2-B): JP2.3 NT2.1
Net-(JP2-C): JP2.2 U3.44
Net-(JP3-B): JP3.3 NT3.1
Net-(JP3-C): JP3.2 U4.44
Net-(JP4-B): JP4.3 NT4.1
Net-(JP4-C): JP4.2 U5.44
Net-(U2-PH-Pad10): U2.10 U2.11 U2.12 U2.13 U2.14 U2.17 U2.46
Net-(U2-RT/CLK): R2.2 U2.35
Net-(U2-VADJ): R1.2 U2.43
Net-(U3-PH-Pad10): U3.10 U3.11 U3.12 U3.13 U3.14 U3.17 U3.46
Net-(U3-RT/CLK): R4.2 U3.35
Net-(U3-VADJ): R3.2 U3.43
Net-(U4-PH-Pad10): U4.10 U4.11 U4.12 U4.13 U4.14 U4.17 U4.46
Net-(U4-RT/CLK): R6.2 U4.35
Net-(U4-VADJ): R5.2 U4.43
Net-(U5-PH-Pad10): U5.10 U5.11 U5.12 U5.13 U5.14 U5.17 U5.46
Net-(U5-RT/CLK): R8.2 U5.35
Net-(U5-VADJ): R7.2 U5.43
Net-(U6-~{INT}): R27.1 U6.11

Pads without a net: FLASH_1 3 4 5 6 11 12 13; U1 A1 A4 A6 A8 A10 A13 A14 A15 A16 A18 A19 A21 AA3 AA4 AA5 AA6 AA8 AA9 AA10 AA11 AA13 AA14 AA15 AA16 AA18 AA19 AA21 AB10 AB11 AB12 AB13 AB15 AB16 AB17 AB18 B1 B2 B4 B6 B8 B10 B13 B15 B16 B21 C2 C5 C7 C9 C11 C13 C14 C15 C17 C18 C19 C20 D1 D2 D5 D6 D7 D9 D10 D11 D14 D15 D16 D17 D20 D21 E1 E2 E3 E6 E8 E10 E13 E14 E16 E17 E18 E21 F1 F3 F4 F6 F7 F9 F10 F13 F14 F15 F16 F18 F19 F20 F21 G1 G2 G3 G4 G13 G15 G16 G17 G18 G20 G21 G22 H2 H3 H4 H5 H13 H14 H15 H17 H18 H19 H20 H22 J1 J2 J4 J5 J6 J14 J15 J16 J17 J19 J22 K1 K3 K4 K6 K13 K14 K16 K17 K18 K19 L1 L4 L5 L6 L13 L14 L15 L16 L18 L19 L20 L21 M1 M2 M3 M5 M6 M13 M15 M16 M17 M18 M20 M21 N2 N3 N4 N5 N9 N10 N13 N14 N15 N17 N18 N19 N20 P1 P2 P4 P5 P6 P14 P15 P16 P17 P19 P20 R1 R2 R3 R4 R6 R14 R16 R17 R18 R19 T1 T3 T4 T5 T6 T14 T15 T16 T18 T20 T21 U1 U2 U3 U5 U6 U7 U15 U16 U17 U18 U20 U21 V2 V3 V4 V5 V7 V8 V9 V10 V13 V14 V15 V17 V18 V19 V20 V22 W1 W2 W4 W5 W6 W7 W9 W10 W11 W12 W14 W15 W16 W17 W19 W20 Y1 Y2 Y3 Y4 Y6 Y7 Y8 Y9 Y11 Y12 Y13 Y14 Y16 Y17 Y18 Y19; U2 3 4 5 6 15 16 18 19 20 22 23 30 31 32 33; U3 3 4 5 6 15 16 18 19 20 22 23 30 31 32 33; U4 3 4 5 6 15 16 18 19 20 22 23 30 31 32 33; U5 3 4 5 6 15 16 18 19 20 22 23 30 31 32 33; Y1 2

## Via types
v1: diameter 0.6, hole 0.3, Top to Bottom, 191 vias
v2: diameter 0.35, hole 0.2, Top to Bottom, 169 vias
v3: diameter 0.8, hole 0.5, Top to Bottom, 514 vias

## Routing (per net, layer and track width the routed paths; a pad name or vN(x,y) marks a point on that pad's centre or on a via; arc(x,y) is an arc through that point)
1V8_VOLTAGE_EN: length 32.3
  Top w0.2: U6.4 28.7,32.85 29.7,31.85 34,31.85 v1(34.55,31.3) ; v1(36.1,27.6) 36.1,12.2 TP21.1
  Top w0.5: 37.96,10.35 U3.8 U3.9
  Bottom w0.2: v1(34.55,31.3) 36.1,29.75 v1(36.1,27.6)
1V_VOLTAGE_EN: length 27.5
  Top w0.2: TP20.1 23.25,52.03 23.25,34.5 25.2,32.55 27.06,32.55 27.7,33.19 U6.2
  Top w0.5: U2.9 U2.8 TP20.1
2V5_VOLTAGE_EN: length 34.6
  Top w0.2: U6.3 28.2,33.19 27.21,32.2 v1(24.52,32.2) ; v1(19.35,31) 17.75,29.4 17.75,11.48 TP23.1
  Top w0.5: U5.9 U5.8 TP23.1
  Bottom w0.2: v1(19.35,31) 20.55,32.2 v1(24.52,32.2)
3V3_VOLTAGE_EN: length 49.1
  Top w0.2: v1(54.66,27.16) 55.45,26.38 55.45,11.87 TP22.1 ; U6.5 29.39,33.61 30.45,32.55 v1(37.53,32.55)
  Top w0.5: 56.99,10.35 U4.8 U4.9
  Bottom w0.2: v1(54.66,27.16) 49.27,32.55 v1(37.53,32.55)
+1.8V: length 59.1
  Top w0.35: U1.M12 v2(45.8,44.3) ; U1.R11 v2(47.4,43.5) ; U1.P12 v2(46.6,44.3) ; U1.K10 v2(44.2,42.7) ; U1.H12 v2(42.6,44.3) ; U1.E12 v2(40.2,44.3) ; U1.K12 v2(44.2,44.3)
  Bottom w0.3: C78.1 42.54,44.35 v2(42.6,44.3) ; C123.1 44.77,45.35 44.38,45.35 ; 45.8,44.6 45.48,44.6 C113.1 ; 45.8,44.6 v2(45.8,44.3) ; 45.8,44.6 46.18,44.6 ; 44.38,45.35 44.37,45.35 C166.1 44.37,44.47 v2(44.2,44.3) ; 44.38,45.35 C68.1 ; v2(46.6,44.3) 46.91,44.6 C142.1 ; C196.1 47.68,43.22 v2(47.4,43.5) ; v2(40.2,44.3) 40.1,44.41 C103.1 ; C156.1 44.48,42.42 v2(44.2,42.7)
  Bottom w0.5: NT2.2 35.6,42.85 v2(35.3,43.15)
  Bottom w1: v3(53.96,17.95) 53.96,9.35 58.06,5.25 69.87,5.25 73.71,9.09 73.71,12.72 J4.4
  Bottom w2: J4.4 J4.3
  vias: v1(53.36,17.45) v1(53.36,16.45) v3(52.76,15.95) v3(53.96,16.95) v3(53.96,15.95)
+2.5V: length 87.2
  Top w0.2: U1.D18 v2(39.4,48.3)
  Top w0.35: U1.E15 v2(39.4,46.7) ; U1.F22 v2(40.2,51.5) ; U1.B14 v2(37,45.9) ; U1.C21 v2(37.8,50.7) ; U1.A17 v2(36.2,47.5)
  Bottom w0.2: v2(39.4,48.3) 39.91,48.3
  Bottom w0.3: C179.1 37.16,45.5 C116.1 ; C169.1 C126.1 ; C106.1 38.2,50.8 37.4,50.8 ; C97.1 C149.1 ; C159.1 C86.1 ; C189.1 39.91,47.02 C135.1
  Bottom w0.35: v2(36.2,47.5) 36.63,47.5 ; v2(39.4,46.7) 39.91,46.7 ; v2(40.2,51.5) 40.68,51.5
  Bottom w0.5: v2(36,45.9) 34.75,44.65 NT4.2
  Bottom w1: J4.5 84.46,18.89 84.46,14.53 83.42,13.49 77.27,13.49 75.45,11.67 75.45,8.76 70.14,3.45 40.55,3.45 35.45,8.55 C74.1 35.45,15.38 v3(34.88,15.95) ; J4.6 79.27,21.18
  Bottom w2: J4.6 J4.5
  vias: v1(34.28,17.45) v1(34.28,16.45) v3(33.68,15.95) v3(34.88,17.95) v3(34.88,16.95)
+3.3V: length 185.5
  Top w0.3: U1.AA17 v2(52.23,47.52) ; R24.1 v1(66.51,42.21) ; U6.15 25.47,34.81 C81.1 24.91,34.73 v1(24.84,34.66) ; U1.H6 v2(41.8,38.7) ; U1.AB14 v2(53.77,45.88) ; R23.1 v1(69.01,56.41) ; U1.R5 v2(48.2,37.9) ; R25.1 v1(73.96,42.21) ; U1.W13 v2(51.38,44.32) ; U1.V16 v2(50.57,46.72) ; U1.U8 v2(49.8,40.3) ; U1.Y10 51.82,42.3 v2(52.2,42.67)
  Top w0.35: U1.T12 v2(49,44.3) ; U1.L17 v2(45,48.3) ; U1.R15 v2(47.4,45.9) ; U1.U19 v2(49.8,49.1) ; U1.T2 v2(48.2,36.3) ; U1.C1 v2(38.6,35.5) ; U1.AA7 v2(52.2,39.5) ; U1.J13 v2(43.4,45.1) ; U1.F12 v2(41,44.3) ; U1.W3 v2(51.4,37.1) ; U1.G19 v2(41.8,49.9) ; U1.J3 v2(42.6,37.1) ; U1.H16 v2(42.6,47.5) ; U1.K20 v2(44.2,50.7) ; U1.Y20 v2(52.2,50.7) ; U1.N21 v2(45.8,50.7) ; U1.F2 v2(41,36.3) ; U1.M4 v2(45,37.1) ; U1.T22 v2(49,52.3) ; U1.M14 v2(45.8,45.9) ; U1.N1 v2(46.6,35.5) ; U1.P18 v2(47.4,49.1) ; U1.AB4 v2(53,37.9) ; U1.V6 v2(49.8,38.7)
  Top w0.5: v1(56.69,27.05) 56.78,27.05 56.8,27.03 C47.1 57.51,27.16 INA_3.5 ; INA_2.5 38.48,27.16 C46.1 37.77,27.03 37.75,27.05 v1(37.66,27.05) ; v1(31.95,47.15) 31.95,46.61 R13.1 ; R19.2 59.6,58.15 v1(60.3,58.85) ; R27.2 v1(26.7,41.4) ; v1(28,47.15) 28,46.56 R14.1 ; INA_1.5 21.81,36.14 C45.1 22.52,36.27 22.54,36.25 v1(22.63,36.25) ; v1(30.1,47.15) 30.1,46.46 R16.1 ; R26.2 v1(28.85,41.4) ; v1(64.84,46.22) 64.62,46.01 FLASH_1.2 ; v1(65.62,52.42) 65.9,52.7 FLASH_1.14 ; v1(57.4,55.9) 58.09,56.59 R21.2 ; v1(18.58,27.05) 18.67,27.05 18.69,27.03 C48.1 19.4,27.16 INA_4.5 ; R20.2 v1(65.9,32.8) ; R22.2 v1(65.9,30.4)
  Top w0.6: v1(27.18,49.95) 27.18,49.95 C52.1 28.62,50.67 Y1.1 29.42,50.68
  Top w0.8: v3(37.65,28.9) v3(33.4,28.9)
  Top w0.9: Y1.6 Y1.1
  In2.Cu w0.3: v2(41,44.3) 41.2,44.5 41.2,44.7
  Bottom w0.2: 58.18,44.35 v1(59.75,44.35) ; 58.18,39.2 v1(59.75,39.2) ; 58.18,41.77 v1(59.75,41.77)
  Bottom w0.3: 47.05,46.3 47.75,46.3 ; C107.1 44.38,50.52 v2(44.2,50.7) ; v2(49,44.3) 49.27,44.03 C95.1 ; C190.1 C117.1 ; C60.1 51.04,36.59 51.05,36.59 51.75,36.59 ; v2(42.6,37.1) 42.98,36.72 C137.1 ; v2(43.4,45.1) 43.35,45.15 43.35,45.58 ; 50.21,40.3 C197.1 ; 50.21,40.3 C85.1 ; 50.21,40.3 v2(49.8,40.3) ; C150.1 C134.1 ; v1(37.76,22.75) 43.26,22.75 A1_2.1 ; C84.1 C180.1 ; v2(45.8,50.7) 45.67,50.83 C109.1 C54.1 ; C181.1 C114.1 ; C56.1 C118.1 C170.1 ; v2(41,44.3) 41.13,44.42 C157.1 ; v1(39.66,29.05) 39.61,29 A0_2.1 ; v1(20.63,34.25) 20.68,34.3 A0_1.1 ; A0_4.1 20.53,29 v1(20.58,29.05) ; C100.1 C160.1 ; v1(18.68,22.75) 24.18,22.75 A1_4.1 ; v2(52.2,42.67) 52.38,42.85 C119.1 ; C63.1 v1(55.75,50.65) ; v1(22.53,40.55) 17.03,40.55 A1_1.1 ; A1_3.1 62.29,22.75 v1(56.79,22.75) ; C128.1 C177.1 ; v1(58.69,29.05) 58.64,29 A0_3.1 ; v2(48.2,37.9) 48.28,37.82 C168.1 ; C148.1 C104.1 ; C188.1 C127.1 38.96,35.95 C58.1 ; C202.1 C138.1 ; C55.1 C133.1 C192.1 ; v2(51.38,44.32) 51.07,44.02 C191.1 ; C108.1 C198.1 ; C105.1 44.65,47.95 C152.1 ; v2(53.77,45.88) 53.42,45.88 C151.1 C89.1 ; C201.1 C115.1 ; C129.1 50.92,46.69 C158.1 ; C172.1 C136.1 ; C124.1 C167.1 ; v2(52.23,47.52) 52.32,47.62 C161.1 C88.1
  Bottom w0.35: v2(53,37.9) 53,37.12 ; v2(46.6,35.5) 46.6,35.95 ; v2(45.8,45.9) 45.8,46.33 ; v2(52.2,50.7) 52.2,51.13 C180.1 ; 44.65,48.32 44.98,48.32 v2(45,48.3) ; v2(47.4,45.9) 47.4,46.3 ; v2(42.6,47.5) 42.6,48 ; C104.1 47.4,48.69 v2(47.4,49.1) ; v2(49.8,38.7) 50.22,38.7 ; v2(49.8,49.1) 50.26,49.1 ; v2(51.4,37.1) 51.4,36.59 ; v2(38.6,35.5) 38.6,35.95
  Bottom w0.5: v1(49.4,33.95) 55.45,27.9 55.45,22.6 NT3.2 ; v1(64.84,46.22) 64.84,49.8 ; 64.84,49.8 64.84,50.5 C49.1 ; 64.84,49.8 64.84,51.65 v1(65.62,52.42)
  Bottom w0.6: v1(46.8,56.1) 46.78,56.12 C62.1 ; v1(57.82,33.48) C65.1 ; C53.1 45.85,54.1 v1(46.8,55.05) ; C66.1 v1(38.7,54.1) ; C67.1 v1(59.8,33.45) ; v1(53.83,33.47) C72.1 ; C73.1 v1(55.85,33.45)
  Bottom w1: v3(72.99,17.95) 73.25,18.21 C77.1 ; C53.1 C62.1 ; C72.1 C67.1
  vias: v1(72.39,17.45) v1(72.39,16.45) v3(71.79,15.95) v3(72.99,16.95) v3(72.99,15.95)
